# Altium PCB mother_board.PcbDoc (part 1 of 5) (continued)
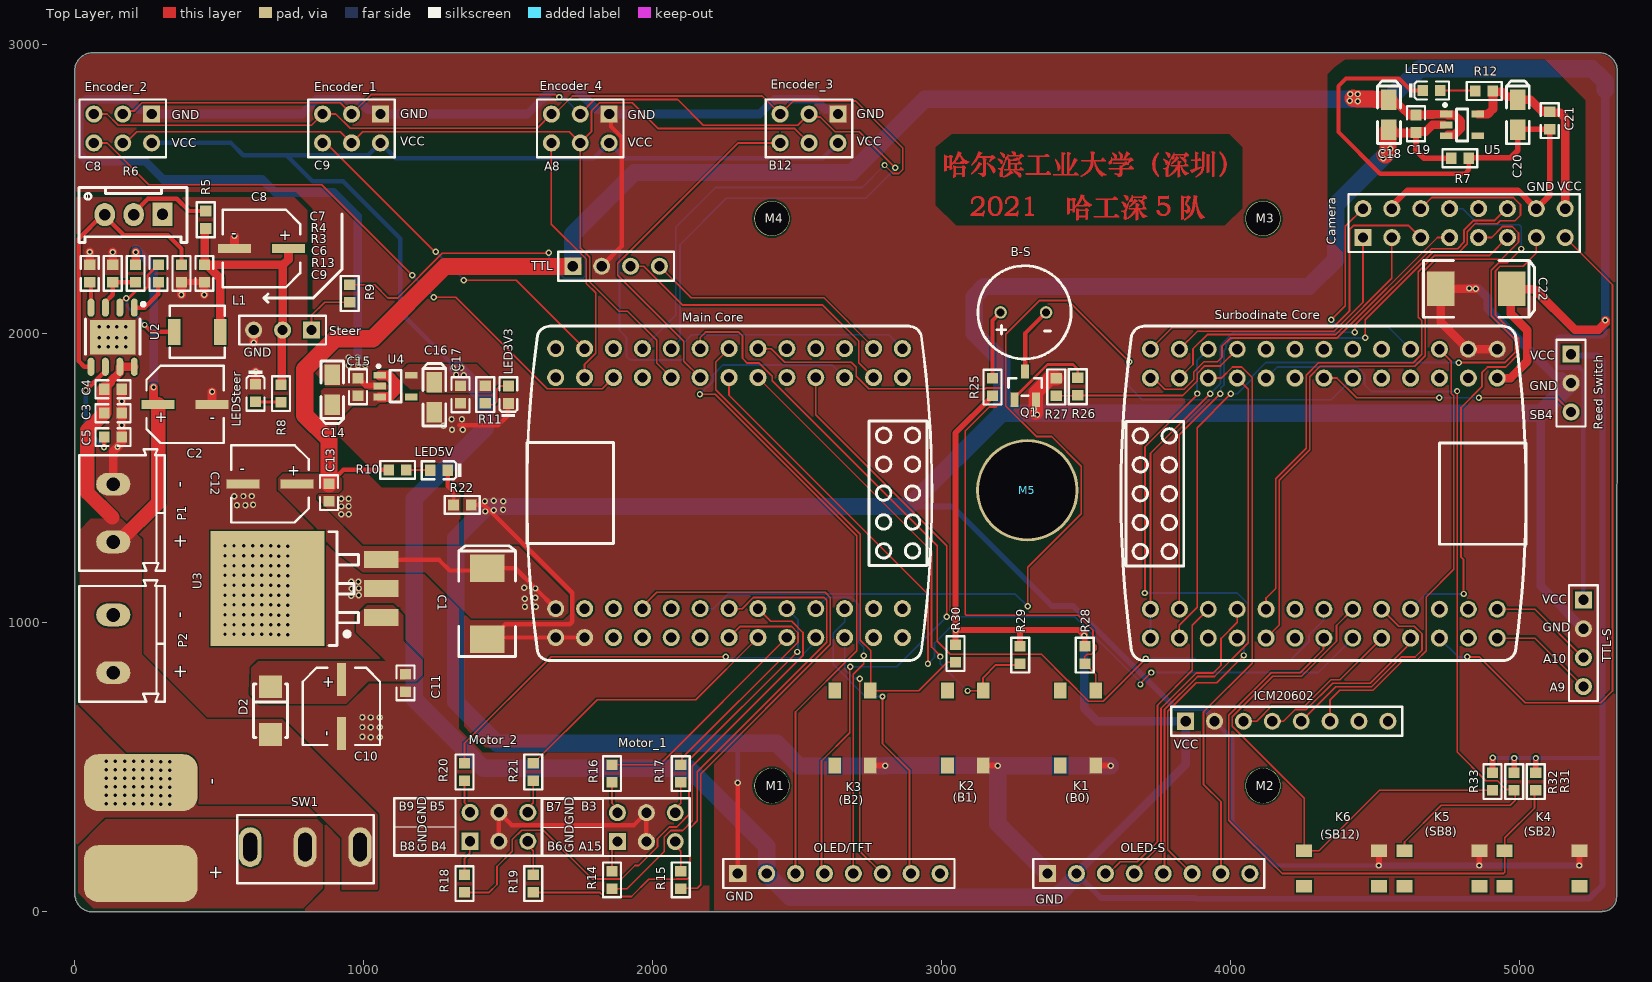
[diagram p0: Top Layer view]
## Nets (pads, with @x,y where several pads share a name; then routed paths per layer and width w, separated by ;. In a path a pad name is that pad's centre, name@x,y a point inside that pad or via, vN(x,y) a via of type N, cw(c..) or ccw(c..) an arc to the next point about the centre after c; other vN are vias at no path point) (continued)
A11: "Main Core.5"
A11-S: "Surbodinate Core.5" ICM20602.6 | length 1581
  Top Layer w6: ICM20602.6@4344.4,659.1 4344.4,733.4 4377.46,766.46 4492.69,766.46 4595.55,869.31 4643.28,869.31 4677.01,903.04 4677.01,1089.31 4772.31,1184.61 4772.31,1785.21 4763.8,1793.72 4763.8,1905.7 4722.7,1946.8
A12: "Main Core.7"
A12-S: "Surbodinate Core.7" Camera.2 | length 746.6
  Top Layer w6: v1(4348.42,2048.53) 4397.1,2097.21 4397.1,2372.3 Camera.2@4458.1,2433.3
  Bottom Layer w6: v1(4348.42,2048.53) 4371.34,2025.6 4543.9,2025.6 4622.7,1946.8
A15: "Main Core.8" R15.1 | length 1940.2
  Top Layer w6: 1964.1,1048.8 1964.1,1055.9 2013.4,1105.2 2597.07,1105.2 2614.63,1087.64 2614.63,925.03 2166,476.4 2166,93.5 2154,81.5 2098.51,81.5 R15.1@2096.8,79.79
A15-S: "Surbodinate Core.8"
B0: "Main Core.37" K1.1 R28.2 | length 2485.1
  Top Layer w6: 2364.1,1948.8 2409.61,1948.8 2456.71,1901.7 2686.87,1901.7 2704.57,1884 2704.57,1853.84 2748.14,1810.27 3150.86,1810.27 3153.08,1812.49 3202.49,1812.49 3207.3,1807.69 3207.3,1766.06 3188.09,1746.85 3164.64,1746.85 3081.7,1663.92 3081.7,1029.51 3085.21,1026 3472.27,1026 3523.79,974.48 3523.79,931.41 3534.1,921.1 3534.1,906.67 3518.52,891.09 3503.29,891.09 3495.5,883.3 R28.2@3495.5,857.77 3496.48,857.77 3533.45,820.8 K1.1@3533.45,764.85
B0-S: "Surbodinate Core.37"
B1: "Main Core.38" K2.1 R29.2 | length 1632.7
  Top Layer w6: 2364.1,1848.8 2964.6,1248.3 2964.6,916.5 2995.28,885.82 v1(2995.28,883.17) ; v1(3089.5,764) 3090.35,764.85 K2.1@3143.26,764.85 3143.26,810.08 3187.28,854.11 3267.89,854.11 R29.2@3271.55,857.77
  Bottom Layer w6: v1(2995.28,883.17) 2995.28,858.22 v1(3089.5,764)
B1-S: "Surbodinate Core.38"
B2: "Main Core.39" K3.1 R30.2 | length 1761.1
  Top Layer w6: 2264.1,1948.8 2217.7,1902.4 2217.7,1806.57 2718.3,1305.97 2718.3,940.12 2754.3,904.12 2754.3,766.1 K3.1@2753.06,764.85 2921.25,764.85 3019.38,862.98 R30.2@3047.6,862.98
B2-S: "Surbodinate Core.39" K4.1 R31.2 | length 2186
  Top Layer w6: 4322.7,946.8 4321.69,945.79 4321.69,908.27 4240.82,827.4 4141.24,827.4 3993.87,680.03 3993.87,316.73 4178.5,132.1 4944.7,132.1 4948.65,136.05 K4.1@4948.65,210.96 4948.65,255.35 5051.7,358.4 5051.7,415.5 R31.2@5056.2,420
B3: "Main Core.13" R17.1 | length 888.4
  Top Layer w6: R17.1@2096.8,508.3 2100.91,512.41 2100.91,531.12 2502.63,932.84 2502.63,964.76 2480.06,987.33 2302.63,987.33 2264.1,948.8
B3-S: "Surbodinate Core.13"
B4: "Main Core.14" R19.1 | length 2087.9
  Top Layer w6: R19.1@1586.4,66.8 1765.8,66.8 1766.1,66.5 1817.05,66.5 1831.07,52.48 1926.23,52.48 1986.25,112.5 2081.4,112.5 2082.01,113.11 2119.82,113.11 2129,122.29 2129,289.33 2154,314.33 2154,484.21 2602.63,932.84 2602.63,1078.33 2593.63,1087.33 2348.14,1087.33 2309.61,1048.8 2264.1,1048.8
B4-S: "Reed Switch.3" "Surbodinate Core.14" | length 905
  Top Layer w6: 4322.7,1846.8 4368.21,1846.8 4436.62,1778.4 v1(4721.7,1778.4) ; v1(4859.54,1778.56) 4859.98,1779 5128.9,1779 5178.3,1729.6
  Bottom Layer w6: v1(4721.7,1778.4) 4722.3,1779 4859.1,1779 v1(4859.54,1778.56)
B5: "Main Core.15" R21.1 | length 958
  Top Layer w6: R21.1@1586.4,513.62 1587.38,513.62 1807.55,733.79 2149.09,733.79 2364.1,948.8
B5-S: "Surbodinate Core.15"
B6: "Main Core.16" R14.2 | length 1404.8
  Top Layer w6: R14.2@1859.01,79.79 1910.69,79.79 2039.37,208.47 2039.37,258.56 2061.94,281.13 2103.83,281.13 2137.09,314.39 2137.09,503.3 2519.79,886 2519.79,966.13 2480.95,1004.97 2407.93,1004.97 2364.1,1048.8
B6-S: "Surbodinate Core.16"
B7: "Main Core.17" R16.2 | length 787.6
  Top Layer w6: R16.2@1859.01,508.3 2023.6,508.3 2464.1,948.8
B7-S: "Surbodinate Core.17"
B8: "Main Core.18" R18.2 | length 1990.1
  Top Layer w6: R18.2@1348.6,66.8 1433.5,66.8 1461,94.3 1461,156.5 1513.9,209.4 1513.9,249.9 1546.33,282.33 1621.47,282.33 1790.8,113 1891.9,113 1938.6,159.7 1951.1,159.7 2016.43,225.03 2016.43,252.58 2057.04,293.2 2082.99,293.2 2125.09,335.3 2125.09,524.23 v1(2499.79,898.93)
  Bottom Layer w6: 2464.1,1048.8 2502.63,1010.27 2502.63,901.77 v1(2499.79,898.93)
B8-S: "Surbodinate Core.18" K5.1 R32.2 | length 2746.1
  Top Layer w6: K5.1@4601.7,210.96 4601.7,241.2 4728.9,368.4 4968.3,368.4 4985,385.1 4985,416.4 4978.87,422.53 4954.4,422.53 4923.6,453.32 4883.58,453.32 4784.17,552.73 4784.17,1173.6 4784.31,1173.74 4784.31,1801.87 v1@4784.17,1802
  Bottom Layer w6: 4122.7,1846.8 4161.23,1885.33 4253.17,1885.33 4253.7,1884.8 4254.23,1885.33 4438.66,1885.33 4463.48,1860.51 4463.48,1823.82 4487.05,1800.25 4782.05,1800.25 v1(4783.8,1802)
B9: "Main Core.19" R20.2 | length 1447.2
  Top Layer w6: R20.2@1348.6,513.62 1348.6,582.7 1648.28,882.38 v1(2252.54,882.38)
  Bottom Layer w6: v1(2252.54,882.38) 2256.87,882.38 2260.32,878.93 2508.07,878.93 2564.1,934.96 2564.1,948.8
B9-S: "Surbodinate Core.19" R26.1 R27.1 | length 708.2
  Top Layer w6: R27.1@3396.4,1785.77 3469.78,1785.77 R26.1@3470.8,1786.79 3834.14,1786.79 3884.17,1836.82 3884.17,1862.76 3910.37,1888.96 3964.86,1888.96 4022.7,1946.8
B10-INTER: "Main Core.40" "Surbodinate Core.41" | length 3012
  Top Layer w6: 2264.1,1848.8 2264.1,1787.7 2952.6,1099.2 v1(2952.6,858.3) ; v1(3687.99,786.55) 3687.99,790.79 v1(3724.9,827.7)
  Bottom Layer w6: v1(2952.6,858.3) 2975.28,880.98 2975.28,929.72 3066.56,1021 3460.93,1021 3687.99,793.94 v1(3687.99,786.55) ; v1(3724.9,827.7) 4303.6,827.7 4422.7,946.8
B11-INTER: "Main Core.41" "Surbodinate Core.40" | length 3158.6
  Top Layer w6: 2164.1,1948.8 2164.1,1987.5 2182.6,2006 2297.76,2006 2310.8,1992.96 2310.8,1915.18 2327.18,1898.8 2368.59,1898.8 2413.78,1853.61 2413.78,1838.28 2985.09,1266.98 2985.09,935.8 3030.25,890.64 3345.72,890.64 3434.96,801.41 3435.73,801.41 3499.04,738.09 3499.04,737.32 3508.07,728.29 3558.84,728.29 3706.1,875.56 v1(3706.1,876.2)
  Bottom Layer w6: v1(3706.1,876.2) 3877.71,876.2 3887.11,866.8 4203,866.8 4271,934.8 4271,957.77 4321.5,1008.27 4321.5,1045.6 4322.7,1046.8
B12: "Main Core.42" Encoder_3.6 | length 1248.1
  Top Layer w6: 2164.1,1848.8 2107.4,1905.5 2107.4,1974.7 1878.9,2203.2 1878.9,2244.09 1901.16,2266.34 1901.84,2266.34 2296.4,2660.9 Encoder_3.6@2440.9,2660.9
B12-S: "Surbodinate Core.42" K6.1 R33.2 | length 1908.4
  Top Layer w6: 4422.7,1046.8 4366.33,990.43 4366.33,935.94 4245.34,814.95 4145.76,814.95 4005.87,675.06 4005.87,641.36 4254.75,392.48 K6.1@4254.75,210.96 4306.16,210.96 4515.2,420 R33.2@4906.6,420
B13: "Main Core.43" Encoder_1.3 Encoder_2.3 Encoder_3.3 Encoder_4.3 | length 4147.6
  Top Layer w6: Encoder_2.3@165.6,2760.9 175.75,2771.05 203.97,2771.05 232.34,2799.43 918.84,2799.43 Encoder_1.3@957.37,2760.9 1025.07,2828.6 1663.26,2828.6 1672.23,2819.63 v1(1676.56,2819.63) ; Encoder_4.3@1749.13,2760.9 1799.66,2811.43 2085.84,2811.43 2174.9,2722.37 2502.37,2722.37 Encoder_3.3@2540.9,2760.9 2551.05,2750.75 2579.27,2750.75 2630.59,2699.43 2715.27,2699.43 v1(2839.7,2575)
  Bottom Layer w6: v1(1676.56,2819.63) 1679.69,2819.63 1685.05,2824.99 Encoder_4.3@1749.13,2760.9 ; 2064.1,1948.8 2094.5,1979.2 2094.5,2309 2254.72,2469.22 2737.52,2469.22 2839.7,2571.4 v1(2839.7,2575)
B13-S: "Surbodinate Core.43" ICM20602.3 | length 597.5
  Top Layer w6: ICM20602.3@4044.4,659.1 4089.91,659.1 4142.61,711.8 4256.19,711.8 4347.35,802.95 4378.85,802.95 4522.7,946.8
B14: "Main Core.44" Encoder_1.4 Encoder_2.4 Encoder_3.4 Encoder_4.4 | length 3556
  Top Layer w6: Encoder_2.4@165.6,2660.9 176,2660.9 214.53,2699.43 918.84,2699.43 Encoder_1.4@957.37,2660.9 995.89,2699.43 1625.27,2699.43 1625.5,2699.2 1625.73,2699.43 1710.61,2699.43 Encoder_4.4@1749.13,2660.9 ; 2064.1,1848.8 2013.6,1899.3 2013.6,1977.4 1912.6,2078.4 1883,2078.4 1782,2179.4 1782,2265.1 1749.13,2297.97 Encoder_4.4@1749.13,2660.9 ; Encoder_3.4@2540.9,2660.9 2491.43,2710.37 2018.63,2710.37 1929.57,2799.43 1815.88,2799.43 1787.66,2771.21 1787.66,2699.43 Encoder_4.4@1749.13,2660.9
B14-S: "Surbodinate Core.44" ICM20602.5 | length 751.6
  Top Layer w6: ICM20602.5@4244.4,659.1 4363.76,778.46 4487.72,778.46 4590.58,881.31 4638.31,881.31 4662.8,905.8 4662.8,961.19 4636.28,987.7 4581.7,987.7 4522.7,1046.7 4522.7,1046.8
B15: "Main Core.45" Encoder_1.5 Encoder_2.5 Encoder_3.5 Encoder_4.5 | length 4445.6
  Top Layer w6: Encoder_2.5@65.6,2760.9 111.11,2760.9 149.64,2722.37 818.84,2722.37 Encoder_1.5@857.37,2760.9 902.88,2760.9 952.35,2711.43 1599.66,2711.43 Encoder_4.5@1649.13,2760.9 1659.8,2760.9 1722.33,2823.43 2378.37,2823.43 Encoder_3.5@2440.9,2760.9 2486,2806 2702.6,2806 2865.31,2643.29 2865.31,2568.61 2851.7,2555 2831.41,2555 v1(2802.22,2584.19)
  Bottom Layer w6: 1964.1,1948.8 2079.5,2064.2 2079.5,2368.6 2217.5,2506.6 2724.62,2506.6 v1(2802.22,2584.19)
B15-S: "Surbodinate Core.45" ICM20602.4 | length 607.1
  Top Layer w6: ICM20602.4@4144.4,659.1 4183.3,659.1 4224,699.8 4261.9,699.8 4353.05,790.95 4483.24,790.95 4609.65,917.36 4609.65,919.4 4622.7,932.44 4622.7,946.8
C0: "Main Core.23"
C0-S: "Surbodinate Core.23" Camera.1 | length 926.7
  Top Layer w6: 3822.7,1946.8 3885.23,2009.33 4358.07,2009.33 4458.1,2109.36 Camera.1@4458.1,2333.3
C1: "Main Core.24"
C1-S: "Surbodinate Core.24" Camera.3 | length 1051.4
  Top Layer w6: 3822.7,1846.8 3869.8,1893.9 3869.8,1948.38 3918.74,1997.33 4363.04,1997.33 4558.1,2192.39 Camera.3@4558.1,2333.3
C2: "Main Core.25"
C2-S: "Surbodinate Core.25" Camera.5 | length 1295
  Top Layer w6: 3722.7,1946.8 3797.23,2021.33 4353.1,2021.33 4411.82,2080.04 4411.82,2362.01 4424.53,2374.72 4616.68,2374.72 Camera.5@4658.1,2333.3
C3: "Main Core.26"
C3-S: "Surbodinate Core.26" Camera.7 | length 1305.9
  Top Layer w6: 3722.7,1846.8 3733.9,1846.8 3772.43,1808.27 3838.66,1808.27 3872.17,1841.79 3872.17,1867.73 3908.13,1903.69 3954.49,1903.69 3970.03,1919.23 3970.03,1956.53 3998.83,1985.33 4368.01,1985.33 4715.98,2333.3 Camera.7@4758.1,2333.3
C4: "Main Core.35"
C4-S: "Surbodinate Core.35" Camera.9 | length 2263.3
  Top Layer w6: 4122.7,946.8 4168.08,992.18 4168.08,1493.38 4273.5,1598.8 4273.5,1852.09 4309.41,1888 4637,1888 4673.55,1924.55 4673.55,2050.64 4661.8,2062.39 4661.8,2210.2 4709.82,2258.22 4937.51,2258.22 4996.63,2317.34 4996.63,2349.26 4974.06,2371.83 4942.14,2371.83 4903.61,2333.3 Camera.9@4858.1,2333.3
C5: "Main Core.36"
C5-S: "Surbodinate Core.36" Camera.11 | length 1945.5
  Top Layer w6: 4122.73,1046.83 4122.73,1085.33 4156.08,1118.68 4156.08,1498.35 4261.5,1603.77 4261.5,1857.06 4304.44,1900 4632.03,1900 4661.23,1929.2 4661.23,2045.99 4649.8,2057.42 4649.8,2215.48 4705.1,2270.77 4895.57,2270.77 Camera.11@4958.1,2333.3
C6: "Main Core.46"
C6-S: "Surbodinate Core.46" Camera.13 | length 1700.6
  Top Layer w6: v1(4806.47,1099.78) 4806.47,1218.29 4797.72,1227.04 4797.72,1745.02 4869.9,1817.2 4869.9,1865.7 4889.53,1885.33 4952.13,1885.33 4997.32,1930.52 4997.32,1984.62 4917.09,2064.84 4917.09,2218.68 4932.63,2234.22 5012.52,2234.22 5058.1,2279.8 Camera.13@5058.1,2333.3
  Bottom Layer w6: 4622.7,1046.8 4675.68,1099.78 v1(4806.47,1099.78)
C7: "Main Core.47"
C7-S: "Surbodinate Core.47" Camera.15 | length 2345.6
  Top Layer w6: v1(4818.7,881.9) 4860.7,881.9 5019.51,723.09 5280.69,723.09 5321.7,764.1 5321.7,2169.7 Camera.15@5158.1,2333.3
  Bottom Layer w6: 4722.7,946.8 4787.6,881.9 v1(4818.7,881.9)
C8: "Main Core.48" Encoder_2.6 | length 2166.8
  Top Layer w6: Encoder_2.6@65.6,2660.9 111.11,2660.9 255.51,2516.5 854.5,2516.5 v1(1167.78,2203.22) ; v1@1243.2,2127.1 1318.4,2127.1 1635.23,1810.27 1825.57,1810.27 1864.1,1848.8
  Bottom Layer w6: v1(1167.78,2203.22) 1241.7,2129.3 v1(1241.7,2126.9)
C8-S: "Surbodinate Core.48"
C9: "Main Core.49" Encoder_1.6 | length 1203
  Top Layer w6: Encoder_1.6@857.37,2660.9 868.67,2660.9 1244.9,2284.67 v1(1249.23,2284.67) ; v1(1345.8,2185.94) 1526.96,2185.94 1764.1,1948.8
  Bottom Layer w6: v1(1249.23,2284.67) 1345.8,2188.1 v1(1345.8,2185.94)
C9-S: "Surbodinate Core.49"
C10: "Main Core.9"
C10-S: "Surbodinate Core.9"
C11: "Main Core.10"
C11-S: "Surbodinate Core.10"
C12: "Main Core.11"
C12-S: "Surbodinate Core.11"
C13: "Main Core.20" OLED/TFT.5 | length 1128
  Top Layer w6: OLED/TFT.5@2694.2,132 2694.2,821.94 2730.35,858.09 2730.35,886.35 v1(2730.3,886.4)
  Bottom Layer w6: 2564.1,1048.8 2602.63,1087.33 2688.57,1087.33 2712.9,1063 2712.9,932.9 2730.3,915.5 v1(2730.3,886.4)
C13-S: "Surbodinate Core.20" OLED-S.5 | length 1887.2
  Top Layer w6: OLED-S.5@3766.6,132 3770.89,136.29 3770.89,699.24 3885.74,814.08 3944.47,814.08 4061.23,930.84 4061.23,1808.27 4022.7,1846.8
C14: "Main Core.21" OLED/TFT.6 | length 881.8
  Top Layer w6: v1(2716.6,805.9) 2716.6,209.6 OLED/TFT.6@2794.2,132
  Bottom Layer w6: 2664.1,948.8 2664.1,839.44 2696.6,806.94 2715.56,806.94 v1(2716.6,805.9)
C14-S: "Surbodinate Core.21" OLED-S.6 | length 2434.4
  Top Layer w6: v1(3702.7,1103) 3703.9,1104.2 3703.9,1609 3884.11,1789.21 v1(3884.11,1793.41) ; OLED-S.6@3866.6,132 3865.3,132 3782.89,214.41 3782.89,694.27 3880.81,792.18 3951.48,792.18 v1(4046.1,886.8)
  Bottom Layer w6: v1(3702.7,1103) 4023.4,1103 4061.23,1065.17 4061.23,930.84 4046.1,915.71 v1(4046.1,886.8) ; v1(3884.11,1793.41) 3884.11,1908.21 3922.7,1946.8
C15: "Main Core.22" OLED/TFT.7 | length 1079.7
  Top Layer w6: v1(2795.14,744.82) 2795.14,581.84 2889,487.99 2889,137.2 OLED/TFT.7@2894.2,132
  Bottom Layer w6: 2664.1,1048.8 2664.1,1003.29 2624.5,963.69 2624.5,856.1 2735.78,744.82 v1(2795.14,744.82)
C15-S: "Surbodinate Core.22" OLED-S.7 | length 1995.6
  Top Layer w6: 3922.7,1846.8 3968.21,1846.8 4006.74,1885.33 4038.66,1885.33 4075.1,1848.89 4075.1,860.5 3905.87,691.27 3905.87,441.07 3966.6,380.34 OLED-S.7@3966.6,132
E-SYNC: "Main Core.12" "Surbodinate Core.12" | length 3803.6
  Top Layer w6: v1(3297.63,1056.62) 3297.63,1191.76 3482.77,1376.9 3482.77,1542.18 3379.98,1644.97 3326.91,1644.97 3221.6,1750.27 3221.6,1998.1 3339.2,2115.7 3436.96,2115.7 v1(3649.19,1903.48)
  Bottom Layer w6: 2164.1,1048.8 2209.61,1048.8 2260.14,1099.33 3254.92,1099.33 v1(3297.63,1056.62) ; v1(3649.19,1903.48) 3649.19,1816.81 3694.1,1771.9 4347.8,1771.9 4422.7,1846.8
FB: R6.1 R13.1 U2.5 | length 971.1
  Top Layer w15: U2.5@55.5,1886.04 32.66,1886.04 13,1905.7 13,2329.3 96.45,2412.75 R6.1@103.35,2412.75 103.35,2407.75 170.14,2340.96 322.01,2340.96 368.76,2294.22 R13.1@368.76,2239.7
GND5V: "Main Core.1" "Main Core.3" "Reed Switch.2" "Surbodinate Core.1" "Surbodinate Core.3" C1.2 C14.2 C15.2 C16.2 C17.2 C18.2 C19.2 C22.2 Encoder_1.1 Encoder_2.1 Encoder_3.1 Encoder_4.1 ICM20602.2 K1.2 K2.2 K3.2 K4.2 K5.2 K6.2 LED3V3.2 OLED-S.1 OLED/TFT.1 Q1.2 R7.1 R22.2 R27.2 TTL-S.2 TTL.2 U4.2 U5.2 | length 22485.8
  Top Layer w15: 1330.8,1683.1 1464.8,1683.1 1498.3,1716.6 1498.3,1756.78 LED3V3.2@1500.3,1758.78 ; R22.2@1371.12,1408 1415.5,1408 1423.9,1399.6 ; v1@1421.24,1394.26 1430.5,1394.26 1721.07,1103.69 1721.07,1030.98 1721.16,1030.89 1721.16,1003.41 1712.37,994.62 1490.3,994.62 C1.2@1444.48,948.8 ; C1.2@1427,943.13 1432.67,948.8 C1.2@1444.48,948.8 ; 1764.1,948.8 1664.1,948.8 C1.2@1444.48,948.8 ; TTL.2@1823.3,2234 1892.16,2302.86 1892.16,2680.84 1855.34,2717.66 1855.34,2754.69 Encoder_4.1@1849.13,2760.9 ; OLED/TFT.1@2294.2,132 v1(2294.2,446) v1@2294.7,446.5
  Top Layer w20: C15.2@979.9,1846.92 980.88,1846.92 1006.99,1820.81 1052.85,1820.81 U4.2@1054.66,1819 ; K3.2@2753.06,505.7 2803.6,505.7 v1(2804.2,505.1) ; K2.2@3143.26,505.7 3193.8,505.7 v1(3194.4,505.1) ; K1.2@3533.45,505.7 3584,505.7 v1(3584.6,505.1) ; v1(4513.31,159.81) 4513.9,160.41 K6.2@4513.9,210.96 ; C19.2@4641.8,2696.8 4641.8,2635 4669.1,2607.7 R7.1@4763.37,2607.7 ; v1(4860.26,159.81) 4860.85,160.41 K5.2@4860.85,210.96 ; v1(5207.21,159.81) 5207.8,160.41 K4.2@5207.8,210.96
  Top Layer w30: C18.2@4548,2706.83 4548,2706.57 4559.57,2695 4640,2695 C19.2@4641.8,2696.8 4645.11,2700.11 4675.11,2700.11 4698.2,2723.2 U5.2@4739.33,2723.2 ; v1(4849,2155.9) C22.2@4727.67,2155.9 4727.67,2040.83 4821.7,1946.8 4822.7,1946.8 4922.7,1946.8
  Top Layer w50: v1@3326.2,1726.2 Q1.2@3326.2,1771.59 3326.2,1797.01 3375.59,1846.4 R27.2@3396.4,1846.4
  Top Layer w60: 4535,2620 4544.57,2629.57 4544.57,2703.4 C18.2@4548,2706.83
  Bottom Layer w15: 2291.5,582.6 2294.2,579.9 v1(2294.2,446) ; ICM20602.2@3944.4,659.1 4005.36,598.14 4005.36,307.14 4152.69,159.81 v1(4513.31,159.81)
  Bottom Layer w20: 2885.1,1402.3 3037.75,1402.3 3381.75,1058.3 3454.42,1058.3 3808.1,704.63 3907.27,704.63 3944.4,667.49 ICM20602.2@3944.4,659.1 ; v1(4513.31,159.81) v1(4860.26,159.81) v1(5207.21,159.81)
  Bottom Layer w30: v1(978.8,1918.2) 978.8,2406.4 896,2489.2 694,2489.2 648.8,2534.4 306.4,2534.4 242.46,2598.34 40.06,2598.34 15.07,2623.33 15.07,2786.44 40.06,2811.43 186.53,2811.43 222.53,2775.43 251.07,2775.43 Encoder_2.1@265.6,2760.9 785.91,2760.9 836.44,2811.43 978.3,2811.43 1014.3,2775.43 1042.84,2775.43 Encoder_1.1@1057.37,2760.9 1566.15,2760.9 1656.88,2851.63 1729.86,2851.63 1806.06,2775.43 1834.61,2775.43 Encoder_4.1@1849.13,2760.9 2369.44,2760.9 2419.97,2811.43 2561.83,2811.43 2597.83,2775.43 2626.37,2775.43 Encoder_3.1@2640.9,2760.9 ; v1(4826,2157.1) 4856.8,2157.1 4890.8,2123.1 4890.8,2086.64 5123.8,1853.64 5146.4,1853.64 5170.44,1829.6 5178.3,1829.6 ; 5073.4,1724.7 5073.4,1127 TTL-S.2@5221,979.4
  Bottom Layer w60: OLED-S.1@3366.6,132 3194.4,304.2 v1(3194.4,505.1) ; v1(3584.6,505.1) v1(3194.4,505.1) ; 4545.6,2628.9 4363.75,2447.05 4363.75,2256.55 4271.3,2164.1 3147.43,2164.1 3112.29,2128.95 3112.29,2002.11 3207.5,1906.9 3207.5,1724.7 ; 5178.3,1829.6 5073.4,1724.7 3207.5,1724.7 ; v1(3194.4,505.1) 3193.54,505.96 2805.06,505.96 v1(2804.2,505.1) 2803.42,504.32 2506.88,504.32 2428.6,582.6 2291.5,582.6 1460.9,582.6 1317.75,725.75 1317.75,1293.33 1426.72,1402.3 2885.1,1402.3 3207.5,1724.7
  other v1: 1420.4,1385.3 1449.5,1389 1481.8,1390.9 1482.4,1420.1 1419.3,1421 1449.5,1422.5 1305.2,1667.8 1341.8,1667.8 1275.5,1682 1303.6,1703.9 1339.6,1703.9 3330,1719.6 3318.5,1739.9 947.9,1890.2 1004.9,1891.1 980,1891.4 947.9,1918.2 4528.4,2608.3 4553.3,2613.8 4526.4,2635.3 4552.1,2641
GNDBAT: C2.2 C3.2 C4.2 C5.2 C7.1 C8.2 C9.1 C10.2 C11.1 C12.2 C13.1 LED5V.2 LEDSteer.2 Motor_1.3 Motor_1.4 Motor_2.3 Motor_2.4 P1.2 P2.2 R4.1 R13.2 R22.1 Steer.3 T型头.2 U2.0 U3.2 | length 1643.9
  Top Layer w15: LED5V.2@1291.02,1528.1 1291.02,1472.38 1310.49,1452.91 R22.1@1310.49,1408 ; Motor_2.3@1467.5,243.8 Motor_2.4@1467.5,343.8 1511.73,299.57 1934.88,299.57 Motor_1.4@1977.9,342.6 Motor_1.3@1977.9,242.6
  Top Layer w20: R13.2@368.76,2179.07 C9.1@448.1,2179.07
  Top Layer w30: v1(51.3,2283.3) 51.3,2239.8 C7.1@51.4,2239.7 ; v1(130.74,2283.2) R4.1@130.74,2239.7 R4.1@130.84,2239.6 ; P1.2@132.7,1479.8 132.7,1593.79 162.2,1623.29 C5.2@162.2,1642.6 C3.2@162.2,1725.45 C4.2@162.2,1808.3 ; R13.2@368.66,2179.17 R13.2@368.76,2179.07 v1(368.76,2135.57) ; C9.1@448,2179.17 C9.1@448.1,2179.07 v1(448.1,2135.57) ; v1(474.65,1799.6) C2.2@474.65,1756.1 C2.2@474.75,1756 ; v1(552.25,2338.8) C8.2@552.25,2295.3 C8.2@552.35,2295.2 ; Steer.3@618.7,2013.1 Steer.3@618.8,2013 v1(618.8,1969.5) ; v1(625.3,1868.52) LEDSteer.2@625.3,1825.02 LEDSteer.2@625.4,1824.92
  other v1: 296.6,371.3 327.6,371.3 108,373.3 139,373.3 173.2,373.3 204.2,373.3 234.4,373.3 265.4,373.3 296.6,400.78 327.6,400.78 108,402.78 139,402.78 173.2,402.78 204.2,402.78 234.4,402.78 265.4,402.78 296.6,430.26 327.6,430.26 108,432.26 139,432.26 173.2,432.26 204.2,432.26 234.4,432.26 265.4,432.26 296.6,459.74 327.6,459.74 108,461.74 139,461.74 173.2,461.74 204.2,461.74 234.4,461.74 265.4,461.74 296.6,489.22 327.6,489.22 108,491.22 139,491.22 173.2,491.22 204.2,491.22 234.4,491.22 265.4,491.22 296.6,518.7 327.6,518.7 108,520.7 139,520.7 173.2,520.7 204.2,520.7 234.4,520.7 265.4,520.7 1024.5,604.1 1055.6,604.1 995.3,605.1 1024.5,638.17 1055.6,638.17 995.3,639.17 1024.5,672.23 1055.6,672.23 995.3,673.23 957,1094 982.9,1095 957.6,1118.2 982.3,1118.8 956.7,1141.7 981.4,1142 921.8,1376.2 947.8,1376.2 921.8,1402.65 947.1,1403.4 560.8,1406.2 590.3,1407.1 616.6,1408.3 921.8,1429.1 947.1,1429.1 551.9,1437.8 583.4,1438.6 612.6,1438.6 147.45,1608.54 162.2,1684.02 162.2,1766.87 84.4,1955.7 114.73,1955.7 145.07,1955.7 175.4,1955.7 84.4,1987.2 114.73,1987.2 145.07,1987.2 175.4,1987.2 84.4,2024.4 114.73,2024.4 145.07,2024.4 175.4,2024.4
GNDCAM: C20.2 C21.2 Camera.4 Camera.14 LEDCAM.2 R7.2 | length 2251.3
  Top Layer w15: LEDCAM.2@4664.87,2842.3 4624.1,2842.3 4582.5,2883.9 4399.6,2883.9 4373.22,2857.52 4373.22,2698.48 4518.04,2553.66 4809.37,2553.66 4824,2568.29 R7.2@4824,2607.7 R7.2@4826.1,2609.8
  Top Layer w20: Camera.4@4558.1,2433.3 4558.1,2443.18 4611.92,2497 4994.4,2497 Camera.14@5058.1,2433.3 5104.4,2479.6 C21.2@5104.4,2707.77 4995.44,2707.77 C20.2@4994.1,2706.43 4994.1,2634.4 4969.5,2609.8 R7.2@4826.1,2609.8
NetB-S_1: B-S.1 R25.2 | length 240
  Top Layer w15: R25.2@3176.1,1845.82 3176.1,2046.38 B-S.1@3204.02,2074.3
NetB-S_2: B-S.2 Q1.3 | length 234.4
  Top Layer w15: Q1.3@3288.8,1870.01 3288.8,2001.6 B-S.2@3361.5,2074.3
NetC5_1: C5.1 U2.6 | length 371.1
  Top Layer w15: v2(37.74,1804.51) 95.28,1862.04 98.86,1862.04 105.5,1868.69 U2.6@105.5,1886.04 ; v2(100.71,1607.05) 101.14,1607.48 101.14,1642.17 C5.1@101.57,1642.6
  Bottom Layer w15: v2(37.74,1804.51) 37.74,1670.86 100.71,1607.9 v2(100.71,1607.05)
NetC6_1: C6.1 L1.2 U2.2 | length 435.2
  Top Layer w6: U2.2@155.5,2108.11 U2.2@157.93,2108.11 ; v1@170.36,2120.54 174.74,2120.54 v1(177.8,2123.6)
  Top Layer w10: U2.2@157.93,2108.11 v1@170.36,2120.54 ; v1(177.8,2123.6) 177.8,2120.7 178.79,2119.71 182.5,2119.71 212.51,2149.71 239.17,2149.71 253.01,2163.55 253.01,2204.19 273.13,2224.31 273.13,2224.39 288.44,2239.7 C6.1@289.42,2239.7
  Top Layer w15: v1(241.1,2030.85) 265.05,2006.9 L1.2@343.48,2006.9
  Bottom Layer w10: 179.74,2096.44 v1@179.74,2115.05 ; 181.59,2093.3 235.17,2039.72 235.17,2036.78 v1(241.1,2030.85)
NetC6_2: C6.2 U2.1 | length 144.8
  Top Layer w15: U2.1@205.5,2090.76 241.66,2090.76 288.44,2137.54 288.44,2179.07 C6.2@289.42,2179.07
NetC7_2: C7.2 U2.4 | length 90
  Top Layer w15: C7.2@51.4,2179.07 55.5,2174.97 U2.4@55.5,2090.76
NetC10_1: C10.1 C11.2 D2.2 U3.1
NetLED3V3_1: LED3V3.1 R11.2 | length 133.2
  Top Layer w6: R11.2@1420.1,1759.47 1424.97,1754.6 1448.9,1754.6 1459.7,1765.4 1459.7,1808.3 1470.81,1819.41 LED3V3.1@1499.32,1819.41
NetLED5V_1: LED5V.1 R10.2 | length 83.5
  Top Layer w6: R10.2@1147.31,1529.1 1229.39,1529.1 LED5V.1@1230.39,1528.1
NetLEDCAM_1: LEDCAM.1 R12.2 | length 122.6
  Top Layer w6: LEDCAM.1@4725.5,2842.3 4845.57,2842.3 R12.2@4847.37,2840.5
NetLEDSteer_1: LEDSteer.1 R8.1 | length 88.6
  Top Layer w10: LEDSteer.1@625.3,1764.39 711.82,1764.39 R8.1@713.3,1762.9
NetMotor_1_1: Motor_1.1 R14.1 | length 110
  Top Layer w6: R14.1@1859.01,140.42 1859.01,223.7 Motor_1.1@1877.9,242.6
NetMotor_1_2: Motor_1.2 R16.1 | length 112.9
  Top Layer w6: R16.1@1859.01,447.67 1859.01,375.85 1877.9,356.96 Motor_1.2@1877.9,342.6
NetMotor_1_5: Motor_1.5 R15.2 | length 110
  Top Layer w6: Motor_1.5@2077.9,242.6 2077.9,228.24 2096.8,209.34 R15.2@2096.8,140.42
NetMotor_1_6: Motor_1.6 R17.2 | length 112.9
  Top Layer w6: Motor_1.6@2077.9,342.6 2077.9,356.96 2096.8,375.85 R17.2@2096.8,447.67
NetMotor_2_1: Motor_2.1 R18.1 | length 124.2
  Top Layer w6: R18.1@1348.6,127.43 1348.6,183.7 1366.7,201.8 1366.7,243 Motor_2.1@1367.5,243.8
NetMotor_2_2: Motor_2.2 R20.1 | length 117
  Top Layer w6: R20.1@1348.6,452.99 1348.6,377.05 1367.5,358.16 Motor_2.2@1367.5,343.8
NetMotor_2_5: Motor_2.5 R19.2 | length 124.2
  Top Layer w6: Motor_2.5@1567.5,243.8 1567.5,229.44 1586.4,210.54 R19.2@1586.4,127.43
NetMotor_2_6: Motor_2.6 R21.2 | length 117
  Top Layer w6: Motor_2.6@1567.5,343.8 1567.5,358.16 1586.4,377.05 R21.2@1586.4,452.99
NetQ1_1: Q1.1 R26.2 | length 312.9
  Top Layer w10: Q1.1@3251.4,1771.59 3251.4,1782.41 3260.18,1791.19 3263.92,1791.19 3366.46,1893.73 3454.13,1893.73 3470.8,1877.07 R26.2@3470.8,1847.42
NetR3_2: R3.2 R4.2 U2.3 | length 178.1
  Top Layer w15: U2.3@105.5,2090.76 105.5,2110.41 130.74,2135.65 R4.2@130.74,2179.07 R3.2@210.08,2179.07
NetR5_1: R5.1 R6.2 | length 292.7
  Top Layer w15: R6.2@203.35,2412.75 203.35,2417.75 253.15,2467.55 352.23,2467.55 394.48,2425.3 R5.1@452.9,2425.3
NetR9_2: R9.2 Steer.1 | length 202.3
  Top Layer w6: Steer.1@818.8,2013 818.8,2063.8 864.38,2109.38 R9.2@951.4,2109.38
NetSW1_2: SW1.2 T型头.1
VCC3V3: "Reed Switch.1" C16.1 C17.1 Encoder_1.2 Encoder_2.2 Encoder_3.2 Encoder_4.2 ICM20602.1 OLED-S.2 OLED/TFT.2 R11.1 R25.1 R28.1 R29.1 R30.1 R31.1 R32.1 R33.1 U4.5 | length 14628.2
  Top Layer w20: R30.1@3047.6,923.61 3047.6,974.16 v1@3048.2,974.76 ; R25.1@3176.1,1785.19 3175.12,1785.19 3166.81,1776.88 3166.81,1775.89 3048.2,1657.28 v1@3048.2,974.76 ; R29.1@3271.55,918.4 3271.55,975.57 v1(3272.88,976.9) ; v1(3493.52,954.47) 3473.23,974.76 v1@3048.2,974.76 ; R28.1@3495.5,918.4 3495.5,955.38 3495.5,968.66 ; R33.1@4906.6,480.63 4906.6,531.18 v1(4907.94,532.52) ; R32.1@4981.4,480.63 4981.4,531.18 v1(4982,531.77) ; R31.1@5056.2,480.63 5056.2,531.18 v1(5056.8,531.77)
  Bottom Layer w15: Encoder_2.2@265.6,2660.9 539.8,2660.9 582.83,2617.87 732.8,2617.87 ; 1322.51,1878.27 1313.49,1887.29 1126.05,2074.73 1126.05,2330.25 928.3,2528 822.67,2528 732.8,2617.87 ; Encoder_3.2@2640.9,2660.9 2587.9,2607.9 1902.13,2607.9 Encoder_4.2@1849.13,2660.9 1796.13,2607.9 1110.37,2607.9 Encoder_1.2@1057.37,2660.9 1014.34,2617.87 732.8,2617.87 ; v1(4907.94,532.52) 4908.31,532.15 4981.63,532.15 v1(4982,531.77) v1(5056.8,531.77) 5279.57,531.77 5286.8,539
  Bottom Layer w20: OLED-S.2@3466.6,132 3550.99,47.61 3877.38,47.61 3880.49,44.5 5239.4,44.5 5286.8,91.9 5286.8,531.77 5286.8,539 5286.8,1905.7 5267.8,1924.7 5183.2,1924.7 5178.3,1929.6
  Bottom Layer w30: OLED-S.2@3466.6,132 3844.4,509.8 ICM20602.1@3844.4,659.1 3538.3,659.1 3493.52,703.88 v1(3493.52,954.47)
  Bottom Layer w60: 1322.51,1878.27 1344.94,1855.84 1420,1780.78 1420,1673.77 1174.75,1428.51 1174.75,735.25 1413.9,496.1 2124.7,496.1 2394.2,226.6 OLED/TFT.2@2394.2,132 2476.3,49.9 3394.47,49.9 3466.6,122.03 OLED-S.2@3466.6,132
  other v1: 3048.6,974.76 1345.6,1856.5 1319.2,1857.9 1308.6,1882.4 1336.8,1882.4